# Allegro board STARRYSKY.brd (continued)
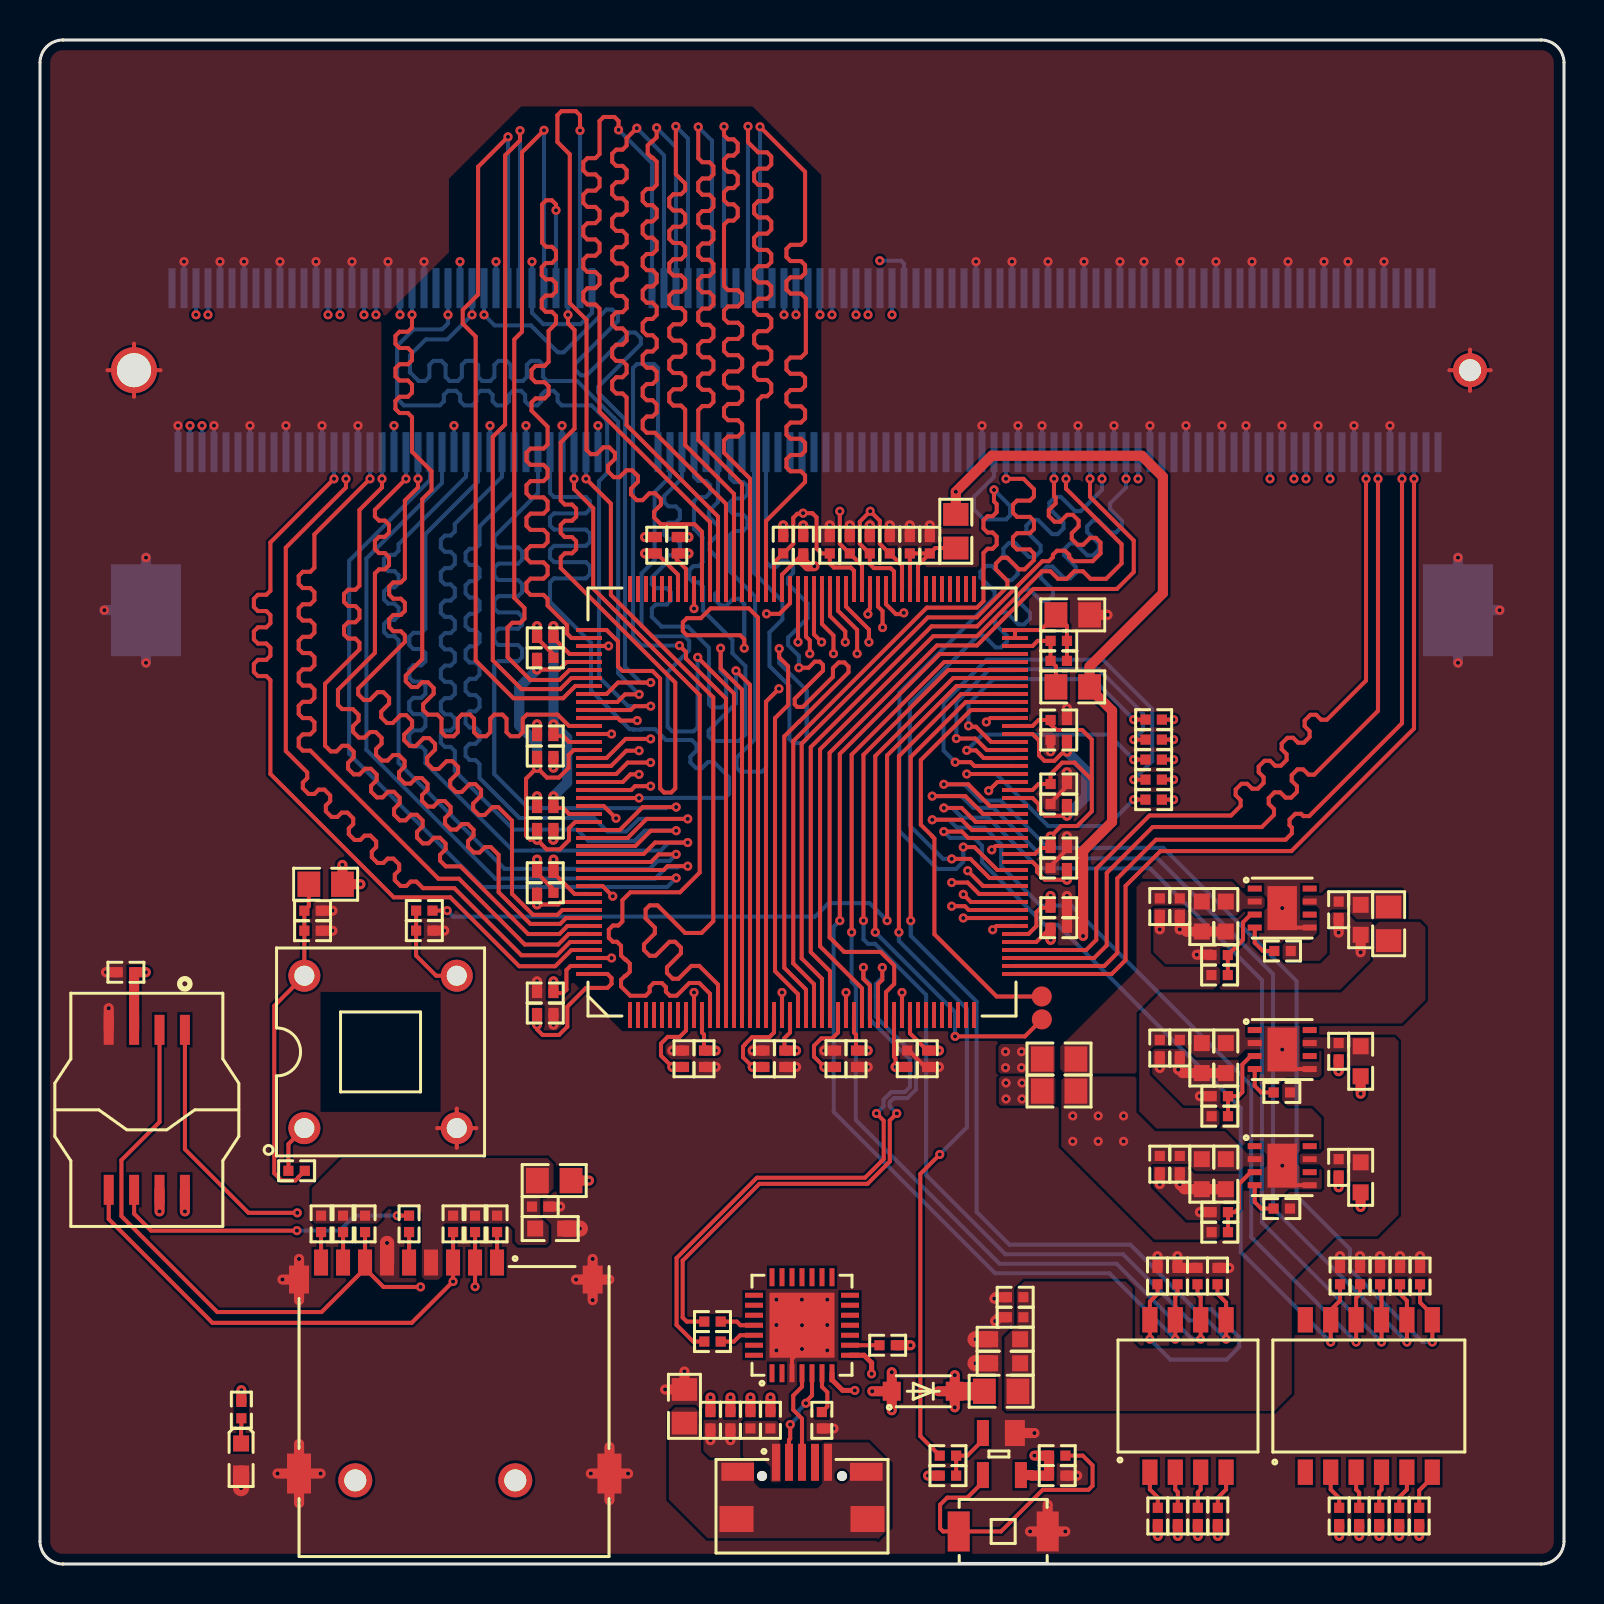
[diagram p0: board, top side]
## Routing (per net, layer and track width the routed paths; a pad name or vN(x,y) marks a point on that pad's centre or on a via; arc(x,y) is an arc through that point) (continued)
  BOTTOM w0.203: v1(14.7,54.26) J1.28
CHIPLINK_TX_DATA18: length 40.6
  TOP w0.203: U3.11 33.5,28.51 32.96,29.05 32.47,29.05 31.83,28.41 31.5,28.41 31.3,28.62 31.3,28.85 31.09,29.05 30.69,29.05 30.48,28.85 30.48,28.62 30.28,28.41 29.52,28.41 29.05,28.88 29.05,29.21 29.26,29.41 29.29,29.41 29.49,29.61 29.49,30.02 29.29,30.22 29.26,30.22 29.05,30.43 29.05,30.91 28.85,31.11 28.64,31.11 28.44,31.31 28.44,31.72 28.64,31.92 28.92,31.92 29.12,32.13 29.12,33.19 29.52,33.59 32,33.59 32.98,34.57 32.98,43.45 27.66,48.77 27.66,52.79 26.7,53.75 v1(26.7,54.26)
  BOTTOM w0.203: v1(26.7,54.26) J1.68
CHIPLINK_TX_DATA19: length 41.6
  TOP w0.203: U3.12 33.9,28.97 32.96,29.91 32.57,29.91 31.92,29.26 31.64,29.26 31.35,29.55 31.35,29.84 32.05,30.54 32.05,30.82 31.76,31.11 31.47,31.11 30.77,30.41 30.49,30.41 30.2,30.7 30.2,30.99 30.74,31.53 30.74,31.82 30.28,32.28 30.28,32.73 30.48,32.93 30.88,32.93 32.26,31.55 33.08,31.55 33.66,32.14 33.66,43.33 28.54,48.45 28.54,53.01 v1(27.3,54.26)
  BOTTOM w0.203: v1(27.3,54.26) J1.70
CHIPLINK_TX_DATA20: length 41
  TOP w0.203: U3.13 34.3,43.27 32.3,45.27 32.3,45.6 v1(31.97,45.92)
  BOTTOM w0.203: J1.74 30.9,59.8 30.7,60 29.85,60 29.65,59.8 29.65,46.36 30.09,45.92 v1(31.97,45.92)
CHIPLINK_TX_DATA21: length 40.5
  TOP w0.203: U3.14 34.7,43.52 v1(32.89,45.33)
  BOTTOM w0.203: v1(32.89,45.33) 32.89,41.84 32.68,41.64 31.6,41.64 31.38,41.85 31.38,44.61 32.46,45.68 32.46,46.16 32.23,46.39 30.59,46.39 30.08,46.89 30.08,49.53 30.73,50.18 30.73,53.6 31.5,54.36 J1.76
CHIPLINK_TX_DATA22: length 41.4
  TOP w0.203: U3.15 35.1,43.71 34.03,44.78 v1(34.03,45.79)
  BOTTOM w0.203: v1(34.03,45.79) 34.03,44.63 34.31,44.36 34.31,43.04 34.1,42.84 33.59,42.84 33.45,42.98 33.45,45.81 32.39,46.87 31.08,46.87 30.59,47.36 30.59,47.77 30.79,47.98 31.34,47.98 31.54,48.18 31.54,48.59 31.34,48.79 30.79,48.79 30.59,48.99 30.59,49.32 31.22,49.95 31.22,50.24 31.42,50.44 31.75,50.44 31.99,50.68 31.99,51.05 31.79,51.26 31.42,51.26 31.22,51.46 31.22,51.86 31.42,52.07 31.79,52.07 31.99,52.27 31.99,52.68 31.79,52.88 31.42,52.88 31.22,53.08 31.22,53.41 32.1,54.29 J1.78
CHIPLINK_TX_DATA23: length 40.6
  TOP w0.203: v1(34.8,44.66) 35.5,43.96 U3.16
  BOTTOM w0.203: J1.80 32.7,54.36 32.9,54.16 33.3,54.16 33.51,53.95 33.51,53.55 33.3,53.35 32.9,53.35 32.7,53.14 32.7,51.75 33.13,51.32 33.13,50.1 32.93,49.89 32.67,49.89 32.47,49.69 32.47,49.29 32.67,49.08 32.93,49.08 33.16,48.85 33.16,47.66 34.62,46.2 34.62,45.54 34.63,45.54 35.27,44.9 35.27,41.48 34.94,41.15 33.66,41.15 33.43,41.38 33.43,41.67 34.8,43.04 v1(34.8,44.66)
CHIPLINK_TX_DATA24: length 40.4
  TOP w0.203: U3.17 35.9,47.33 35.44,47.78 33.53,47.78 33.04,47.29 32.35,47.29 32.14,47.09 32.14,46.64 32.35,46.44 35.01,46.44 35.21,46.23 v1(35.21,45.79)
  BOTTOM w0.203: J1.84 33.9,53.1 33.45,52.64 33.45,52.35 33.9,51.9 33.9,51.47 33.48,51.06 33.48,50.69 33.91,50.27 33.91,48.65 33.75,48.5 33.75,48.21 34.04,47.92 34.32,47.92 34.66,48.26 34.95,48.26 35.21,48 v1(35.21,45.79)
CHIPLINK_TX_DATA25: length 41.6
  TOP w0.203: U3.18 36.3,43.11 v1(36.95,43.76)
  BOTTOM w0.203: v1(36.95,43.76) 36.3,43.12 36.3,39.82 36.1,39.62 35.03,39.62 34.82,39.82 34.82,40.31 35.76,41.25 35.76,48.38 34.5,49.63 34.5,51.45 34.7,51.65 35.17,51.65 35.37,51.86 35.37,52.26 35.17,52.47 34.7,52.47 34.5,52.67 34.5,53.08 34.7,53.28 35.17,53.28 35.37,53.48 35.37,53.89 35.17,54.09 34.7,54.09 34.5,54.29 J1.86
CHIPLINK_TX_DATA26: length 41
  TOP w0.203: U3.22 37.9,28.49 36.75,29.64 36.75,42.29 37.41,42.95 37.41,44.89 36.96,45.34 v1(36.96,45.77)
  BOTTOM w0.203: v1(36.96,45.77) 36.96,45.34 36.96,45.33 36.96,45.05 38.34,43.68 38.34,41.25 38.13,41.05 37.67,41.05 37.47,41.25 37.47,43.9 36.47,44.9 36.47,46.58 37.12,47.23 37.12,48.14 35.7,49.56 J1.90
CHIPLINK_TX_DATA27: length 40.5
  TOP w0.203: v1(37.95,44.81) 38.43,44.81 38.74,45.12 38.99,45.12 39.15,44.96 39.15,44.67 37.74,43.26 37.74,42.98 37.86,42.86 38.15,42.86 39.65,44.36 39.65,44.79 39.93,45.08 40.22,45.08 40.43,44.87 40.43,44.58 37.95,42.11 37.95,42.11 37.22,41.38 37.22,29.81 38.3,28.73 U3.23
  BOTTOM w0.203: J1.92 36.3,50.11 36.53,49.87 36.82,49.87 37.08,50.13 37.37,50.13 37.66,49.85 37.66,49.56 37.4,49.3 37.4,49.01 38.38,48.03 38.38,47.29 37.41,46.33 37.41,45.94 37.95,45.4 v1(37.95,44.81)
CHIPLINK_TX_DATA28: length 40.4
  TOP w0.203: U3.24 38.7,28.99 37.66,30.03 37.66,41.14 44.34,47.82 46.85,47.82 47.17,48.14 47.17,50.56 47.38,50.76 47.63,50.76 47.83,50.97 47.83,51.37 47.63,51.57 47.38,51.57 47.17,51.78 47.17,52.18 47.38,52.39 47.63,52.39 47.83,52.59 47.83,53 47.7,53.13 v1(47.7,53.71)
  BOTTOM w0.203: J1.130 47.7,54.36 46.7,53.36 46.7,52.73 47.2,52.23 48.31,52.23 48.51,52.43 48.51,52.9 v1(47.7,53.71)
CHIPLINK_TX_DATA29: length 41.1
  TOP w0.203: v1(48.3,54.26) 49.18,54.26 49.7,53.74 49.7,53.37 49.49,53.17 48.85,53.17 48.65,52.97 48.65,52.56 48.85,52.36 49.49,52.36 49.7,52.15 49.7,51.75 49.49,51.54 48.85,51.54 48.65,51.34 48.65,50.93 48.85,50.73 49.49,50.73 49.7,50.53 49.7,50.2 49.23,49.73 48.95,49.73 48.37,50.31 48.08,50.31 47.79,50.02 47.79,49.74 48.37,49.16 48.37,48.87 46.83,47.33 44.39,47.33 38.08,41.02 38.08,30.28 39.1,29.26 U3.25
  BOTTOM w0.203: J1.132 v1(48.3,54.26)
CHIPLINK_TX_DATA30: length 41.5
  TOP w0.203: U3.26 39.5,29.63 38.54,30.6 38.54,40.84 44.58,46.88 46.85,46.88 50.11,50.14 50.44,50.14 50.65,50.34 50.65,50.46 50.85,50.66 51.26,50.66 51.46,50.46 51.46,50.34 51.66,50.14 52.64,50.14 53.03,50.53 53.03,51.07 52.79,51.31 52.51,51.31 52.16,50.97 51.88,50.97 51.59,51.25 51.59,51.54 51.93,51.88 51.93,52.17 51.64,52.46 51.36,52.46 51.01,52.11 50.73,52.11 50.44,52.4 50.44,52.69 50.78,53.03 50.78,53.32 50.7,53.4 v1(50.7,54.26)
  BOTTOM w0.203: J1.140 v1(50.7,54.26)
CHIPLINK_TX_DATA31: length 40.4
  TOP w0.203: U3.30 41.1,28.79 39,30.88 39,40.73 44.66,46.39 46.85,46.39 50.09,49.64 50.52,49.64 50.9,49.26 51.34,49.26 51.72,49.64 52.15,49.64 52.53,49.26 53.3,49.26 54.08,50.03 54.08,50.98 51.3,53.76 v1(51.3,54.26)
  BOTTOM w0.203: J1.142 v1(51.3,54.26)
CHIPLINK_TX_RST: length 40.9
  TOP w0.203: v1(18.6,62.46) 18.6,61.82 18.4,61.61 17.98,61.61 17.77,61.41 17.77,61 17.98,60.8 18.4,60.8 18.6,60.6 18.6,60.19 18.4,59.99 17.98,59.99 17.77,59.78 17.77,59.38 17.98,59.17 18.4,59.17 18.6,58.97 18.6,58.56 18.4,58.36 17.98,58.36 17.77,58.16 17.77,57.75 17.98,57.55 18.4,57.55 18.6,57.35 18.6,55.61 19.58,54.64 19.58,53.7 19.11,53.24 19.11,45.24 18.29,44.42 18.29,44.13 18.58,43.85 18.86,43.85 19.11,44.09 19.39,44.09 19.68,43.8 19.68,43.52 19.16,42.99 19.16,42.7 19.39,42.47 19.87,42.47 20.07,42.27 20.07,41.59 20.28,41.39 20.68,41.39 20.89,41.59 20.89,42.27 21.09,42.47 21.5,42.47 21.7,42.27 21.7,41.59 21.9,41.39 22.31,41.39 22.51,41.59 22.51,42.27 22.72,42.47 23.12,42.47 23.33,42.27 23.33,41.59 23.53,41.39 23.94,41.39 24.14,41.59 24.14,42.27 24.34,42.47 25.88,42.47 26.45,41.9 U3.145
  BOTTOM w0.203: J1.41 v1(18.6,62.46)
CHIPLINK_TX_SEND: length 41
  TOP w0.203: v1(30.53,41.26) 29.28,41.26 28.33,40.3 U3.149
  ART03 w0.203: v1(30.53,41.26) 29.79,41.26 27.96,43.09 27.96,45.75 27.76,45.95 27.32,45.95 27.12,46.16 27.12,46.56 27.32,46.77 27.76,46.77 27.96,46.97 27.96,47.38 27.76,47.58 27.32,47.58 27.12,47.78 27.12,48.19 27.32,48.39 27.76,48.39 27.96,48.6 27.96,49 27.76,49.21 27.32,49.21 27.12,49.41 27.12,49.82 27.32,50.02 27.76,50.02 27.96,50.22 27.96,50.79 26.98,51.78 26.98,52.06 27.36,52.45 27.36,52.73 27.07,53.02 26.79,53.02 26.4,52.64 26.12,52.64 25.83,52.93 25.83,53.21 26.21,53.6 26.21,53.88 25.92,54.17 25.64,54.17 25.25,53.79 24.97,53.79 24.68,54.07 24.68,54.36 25.06,54.75 25.06,55.03 24.77,55.32 24.49,55.32 24.1,54.94 23.82,54.94 23.53,55.22 23.53,55.51 23.91,55.9 23.91,56.18 23.62,56.47 23.34,56.47 22.95,56.09 22.67,56.09 18,60.75 v1(18,62.46)
  BOTTOM w0.203: J1.39 v1(18,62.46)
CLK_SEL: length 54.7
  TOP w0.203: v1(55.49,11.24) SW2.8 55.49,13.12 55.88,13.5 R30.1 ; U3.79 46.29,43.1 43.54,40.35 v1(43.54,32.17)
  BOTTOM w0.203: v1(55.49,11.24) 56.52,10.22 59.33,10.22 59.96,10.85 59.96,11.33 58.56,12.73 57.75,12.73 54.51,15.97 48.47,15.97 46.83,17.6 46.83,28.11 43.54,31.41 v1(43.54,32.17)
CORE_DIP0: length 50
  TOP w0.203: v1(45.19,38.98) 46.41,38.98 47.5,37.9 U3.66 ; v1(69.62,11.1) SW3.7 69.62,12.46 69,13.08 R49.1
  BOTTOM w0.203: v1(45.19,38.98) 46.21,38.98 47.03,38.17 48.04,38.17 50.4,35.81 56.16,35.81 62.83,29.14 62.83,18.41 65.5,15.74 65.5,14.73 69.13,11.1 v1(69.62,11.1)
CORE_DIP1: length 49.4
  TOP w0.203: R47.1 68,13.5 68.35,13.16 SW3.8 v1(68.35,11.1) ; v1(44.61,38.39) 46.26,38.39 47.16,37.5 U3.65
  BOTTOM w0.203: v1(68.35,11.1) 61.65,17.79 61.65,29.5 55.86,35.28 50.19,35.28 47.67,37.8 46.66,37.8 46.07,38.39 v1(44.61,38.39)
CORE_DIP2: length 46.8
  TOP w0.203: v1(45.19,37.8) 46.08,37.8 46.79,37.1 U3.64 ; R44.1 67,13.5 67.08,13.43 SW3.9 v1(67.08,11.1)
  BOTTOM w0.203: v1(67.08,11.1) 61.1,17.07 61.1,29.18 55.5,34.78 49.94,34.78 47.41,37.31 46.11,37.31 45.62,37.8 v1(45.19,37.8)
CORE_DIP3: length 44.4
  TOP w0.203: v1(44.61,37.21) 46.08,37.21 46.6,36.7 47.87,36.7 47.87,36.7 U3.63 ; R42.1 66,13.5 65.81,13.31 SW3.10 v1(65.81,11.1)
  BOTTOM w0.203: v1(44.61,37.21) 45.46,37.21 45.85,36.82 47.23,36.82 48.06,35.98 48.06,34.88 50.03,32.92 51.56,32.92 60.56,23.92 60.56,16.34 v1(65.81,11.1)
CORE_DIP4: length 41.4
  TOP w0.203: v1(45.19,36.62) 46.09,36.62 46.41,36.3 U3.62 ; v1(64.54,11.1) SW3.11 64.54,12.7 65,13.17 R40.1
  BOTTOM w0.203: v1(64.54,11.1) 60.04,15.6 60.04,22.8 50.88,31.95 50.24,31.95 47.1,35.09 47.1,35.91 46.7,36.3 45.51,36.3 v1(45.19,36.62)
OSC_IN: length 39.6
  TOP w0.203: R3.2 v1(20.36,32.67) ; v1(42.35,32.17) 42.35,40.43 45.83,43.9 U3.81
  BOTTOM w0.203: v1(42.35,32.17) 41.48,33.05 39.43,33.05 38.75,32.36 20.66,32.36 v1(20.36,32.67)
PLL_AVDD33: length 6.2
  TOP w0.203: C61.1 C62.1 43.49,50.04 43.5,50.03 U3.97 ; C61.1 44.76,50.8 L5.1 ; C61.1 43.9,49.94 U3.96
PLL_CFG0: length 53.2
  TOP w0.203: v1(59.3,11.24) SW2.5 59.3,13.08 58.88,13.5 R28.1 ; U3.83 45.41,44.7 41.17,40.46 v1(41.17,32.17)
  BOTTOM w0.203: v1(59.3,11.24) 58.36,12.18 57.46,12.18 54.16,15.49 48.27,15.49 44.3,19.45 44.3,28.46 41.75,31.01 41.4,31.01 41.17,31.24 v1(41.17,32.17)
PLL_CFG1: length 53
  TOP w0.203: R32.1 57.88,13.5 58.03,13.34 SW2.6 v1(58.03,11.24) ; U3.84 45.21,45.1 40.58,40.47 v1(40.58,31.59)
  BOTTOM w0.203: v1(58.03,11.24) 57.6,11.24 53.83,15.01 47.97,15.01 40.79,22.2 40.79,28.91 40.58,29.11 v1(40.58,31.59)
PLL_CFG2: length 53.4
  TOP w0.203: U3.85 44.99,45.5 39.99,40.5 v1(39.99,32.17) ; R24.1 56.88,13.5 56.76,13.39 SW2.7 v1(56.76,11.24)
  BOTTOM w0.203: v1(56.76,11.24) 53.47,14.54 47.75,14.54 39.68,22.61 39.68,31.86 v1(39.99,32.17)
PLLIO_AVDD33: length 4.3
  TOP w0.203: L7.1 50.8,44.89 C64.1 C63.1 49.88,46.16 49.63,45.9 U3.86
SPI_CLK: length 88
  TOP w0.203: v1(12.85,16.67) 5.55,16.67 4.71,17.52 U7.6 ; R18.2 v1(56.68,42.22) ; R34.1 v1(17.87,17.42)
  ART03 w0.203: v1(17.87,17.42) 17.87,13.56 18.82,12.61 52.05,12.61 58.97,19.52 58.97,39.93 v1(56.68,42.22)
  BOTTOM w0.203: v1(12.85,16.67) 14.99,16.67 15.74,17.42 v1(17.87,17.42)
SPI_CS0: length 88.6
  TOP w0.203: U7.1 7.25,20.74 10.43,17.56 v1(12.86,17.56) ; R17.2 v1(56.68,41.22)
  ART03 w0.203: v1(12.86,17.56) 13.47,18.17 18.04,18.17 18.48,17.73 18.48,13.62 18.73,13.37 27.17,13.37 27.56,13.77 52.44,13.77 58.51,19.83 58.51,39.39 v1(56.68,41.22)
SPI_CS1: length 61.3
  TOP w0.203: R27.2 J4.2 v1(21.75,13.87) ; R16.2 v1(56.68,40.22)
  ART03 w0.203: v1(56.68,40.22) 57.53,39.36 57.53,31.37 57.38,31.22 57.38,21.37 50.79,14.77 22.66,14.77 v1(21.75,13.87)
SPI_MISO: length 87.9
  TOP w0.203: 16.25,14.77 14.08,12.6 8.87,12.6 4.07,17.4 4.07,20.19 5.98,22.1 U7.2 ; 16.25,14.77 17.17,13.85 v1(19.03,13.85) ; 16.25,14.77 J4.7 R37.2 ; R14.2 v1(56.68,38.22)
  ART03 w0.203: v1(19.03,13.85) 22.45,17.28 51.76,17.28 55.26,20.79 55.26,36.81 v1(56.68,38.22)
SPI_MOSI: length 82
  TOP w0.203: U7.5 3.44,17.25 8.62,12.06 18.59,12.06 v1(20.65,14.12) J4.3 R29.2 ; R15.2 v1(56.68,39.22)
  ART03 w0.203: v1(56.68,39.22) 57.15,38.75 57.15,37.92 56.43,37.2 56.43,31.94 56.45,31.92 56.45,21.21 51.4,16.16 22.69,16.16 v1(20.65,14.12)
SYS_RST: length 44.8
  TOP w0.203: R19.1 44.02,6.39 44.02,19.51 v1(44.99,20.48) ; U3.80 46.05,43.5 42.95,40.39 v1(42.95,31.59)
  BOTTOM w0.203: v1(44.99,20.48) 46.35,21.83 46.35,27.76 42.95,31.16 v1(42.95,31.59)
UART_RX: length 31.8
  TOP w0.203: R36.2 32.66,11.12 31.83,11.96 31.83,15.3 35.84,19.31 41.25,19.31 42.18,20.25 42.18,22.17 v1(41.82,22.53) ; v1(41.17,29.83) 41.17,29.25 41.5,28.92 U3.31
  BOTTOM w0.203: v1(41.17,29.83) 41.17,29.32 41.49,29 41.49,28.4 41.49,27.24 43.5,25.23 43.5,23.86 43.24,23.6 42.56,23.6 42.18,23.21 42.18,22.88 v1(41.82,22.53)
UART_TX: length 30.8
  TOP w0.203: v1(42.84,22.53) 42.49,22.18 42.49,20.12 41.38,19.01 35.97,19.01 32.13,15.17 32.13,12.33 32.34,12.12 R35.2 ; U3.32 41.9,28.99 42.11,29.21 v1(42.11,29.83)
  BOTTOM w0.203: v1(42.11,29.83) 42.11,29.32 41.79,29 41.79,28.4 41.79,27.37 43.8,25.35 43.8,23.73 43.37,23.29 42.69,23.29 42.48,23.09 42.48,22.89 v1(42.84,22.53)
USB_D+: length 4.8
  TOP w0.203: J3.3 38.1,7.27 37.66,7.71 37.66,8.42 38.1,8.86 U6.4
USB_D-: length 4.9
  TOP w0.203: J3.2 37.45,6.21 37.51,6.27 v1(37.51,6.97) ; U6.5 38.6,8.43 38.31,8.13 v1(38.3,8.04)
  BOTTOM w0.203: v1(37.51,6.97) 37.92,7.38 37.92,7.66 v1(38.3,8.04)
N00208: length 1.9
  TOP w0.203: U1.4 60.74,18.1 61.06,17.77 R4.2
N00440: length 3.9
  TOP w0.203: U1.3 60.54,19.59 59.94,19 59.94,17.79 59.74,17.59 R5.1 R1.2
N02977: length 1.9
  TOP w0.203: R7.2 61.06,23.58 60.74,23.9 U2.4
N03085: length 4
  TOP w0.203: U2.3 60.54,25.4 60.12,24.98 60.12,23.59 59.91,23.39 R9.1 R8.2
N03804: length 1.9
  TOP w0.203: R11.2 61.15,30.65 60.74,31.06 U4.4
N03912: length 3.7
  TOP w0.203: R10.2 R12.1 60.15,31.21 60.15,32.09 60.54,32.47 U4.3
N09341: length 3
  TOP w0.203: U5.2 47.14,6.2 46.37,5.42 R19.2 R13.2
N12849: length 15.4
  TOP w0.203: U5.3 47.14,4.1 46.37,3.32 45.36,3.32 45,2.96 45,1.78 45.16,1.63 SW1.1 48.05,1.63 50.13,3.71 52.42,3.71 52.63,3.91 52.63,4.93 52.14,5.42 R20.2
N14111: length 1.3
  TOP w0.203: R2.1 10.07,6.8 10.05,6.79 LED1.1
N20091: length 13
  TOP w0.203: R14.1 v1(54.69,38.22) ; U3.70 v1(46.34,39.5)
  BOTTOM w0.203: v1(46.34,39.5) 47.81,39.5 50.41,36.9 53.37,36.9 v1(54.69,38.22)
N20140: length 23.1
  TOP w0.203: R15.1 v1(54.69,39.22) ; U3.71 46.72,39.9 46.53,40.09 v1(45.76,40.09)
  BOTTOM w0.203: v1(54.69,39.22) 55.61,40.14 55.61,42.75 53.15,45.22 47.34,45.22 45.18,43.05 45.18,40.67 v1(45.76,40.09)
N20190: length 12.3
  TOP w0.203: v1(46.34,40.68) 46.8,40.68 47.18,40.3 U3.72 ; R16.1 v1(54.69,40.22)
  BOTTOM w0.203: v1(54.69,40.22) 53.44,41.47 47.12,41.47 v1(46.34,40.68)
N20241: length 18
  TOP w0.203: R17.1 v1(54.69,41.22) ; U3.73 47.34,40.7 46.76,41.27 v1(45.82,41.27)
  BOTTOM w0.203: v1(54.69,41.22) 55.16,41.69 55.16,42.52 52.93,44.74 47.47,44.74 45.82,43.08 v1(45.82,41.27)
N20293: length 14
  TOP w0.203: R18.1 v1(54.69,42.22) ; U3.74 47.56,41.1 46.8,41.86 46.52,41.86 46.48,41.91 v1(46.43,41.91)
  BOTTOM w0.203: v1(46.43,41.91) 46.43,43.01 47.66,44.24 52.66,44.24 v1(54.69,42.22)
N20346: length 21.4
  TOP w0.203: U3.78 46.55,42.7 44.04,40.2 44.04,36.96 44.61,36.39 44.61,36.38 44.72,36.27 44.72,31.49 47.83,28.38 TP1.1
N20568: length 29
  TOP w0.203: U3.82 45.66,44.3 41.76,40.4 v1(41.76,31.59) ; TP2.1 49.24,26.38 v1(45.75,26.38)
  BOTTOM w0.203: v1(45.75,26.38) 45.75,27.6 v1(41.76,31.59)
N47247: length 17.1
  TOP w0.203: L1.1 13.44,32.89 C9.1 C8.1 J2.8 11.71,27.91 11.71,19.53 12.07,19.18 12.77,19.18 12.9,19.31 12.9,19.32 R6.2
N86942: length 1.5
  TOP w0.203: J4.1 R25.2
N87161: length 1.5
  TOP w0.203: J4.8 R41.2
N87165: length 1.5
  TOP w0.203: J4.9 R45.2
N88472: length 1.5
  TOP w0.203: J4.5 R34.2
N105628: length 1.7
  TOP w0.203: U6.25 35.02,11.94 34.84,12.12 R35.1
N109895: length 1.9
  TOP w0.203: SW3.5 68.35,3.73 67.96,3.34 R46.2
N109899: length 2
  TOP w0.203: SW3.6 69.62,4.33 68.96,3.68 R48.2
N122427: length 1.8
  TOP w0.203: U6.26 35.01,11.44 34.69,11.12 R36.1
N129276: length 2.2
  TOP w0.203: C69.1 39.37,7.87 39.37,8.59 39.1,8.86 U6.6
N130573: length 1.5
  TOP w0.203: U6.9 R50.2
N266605: length 4.7
  TOP w0.203: J2.5 19.81,29.41 18.81,30.42 C7.1 R3.1
N270643: length 2.5
  TOP w0.203: R6.1 12.42,21 J2.1
N1063390: length 1.9
  TOP w0.203: R23.2 55.89,3.33 55.49,3.73 SW2.1
N1063391: length 1.8
  TOP w0.203: R31.2 56.89,3.6 56.76,3.73 SW2.2
N1063394: length 1.8
  TOP w0.203: R26.2 57.89,3.58 58.03,3.73 SW2.3
N1063395: length 1.9
  TOP w0.203: SW2.4 59.3,3.73 58.89,3.31 R33.2
N1064041: length 2
  TOP w0.203: R38.2 64.96,3.3 64.54,3.73 SW3.2
N1064044: length 1.8
  TOP w0.203: SW3.3 65.81,3.73 65.96,3.57 R39.2
N1064045: length 1.8
  TOP w0.203: SW3.4 67.08,3.73 66.96,3.61 R43.2

## Copper pours and planes (outline as drawn; the poured copper is in the pictures)
5V_IN on TOP: 54.27,14.13 54.62,13.78 54.62,11.12 54.96,10.78 59.63,10.78 60.17,11.32 60.17,15.48 62.07,17.39 62.07,18.2 62.48,18.61 64.08,18.61 64.22,18.75 64.22,19.74 63.97,19.98 63.06,19.98 62.97,20.07 62.97,20.43 63.06,20.52 64,20.52 64.2,20.71 64.2,20.97 64.2,22.34 63.63,22.91 62.37,22.91 62.11,23.18 62.11,23.97 62.34,24.2 63.99,24.2 64.2,24.41 64.2,25.72 64.15,25.78 63.22,25.78 63.13,25.86 63.13,26.26 63.14,26.26 63.22,26.34 67.72,26.34 67.93,26.14 67.93,17.45 66.85,16.38 64.8,16.38 62.59,14.18 62.59,8.52 61.72,7.65 48.34,7.65 48.22,7.77 48.22,11.32 48.84,11.94 48.84,13.76 49.21,14.13
5V_VBUS1 on ART03: 43.54,11.49 44.49,10.55 44.49,6.5 43.41,5.43 33.6,5.43 32.86,6.17 32.86,10.73 33.63,11.49
5V_VBUS2 on BOTTOM: 46.27,9.53 46.27,7.71 45.66,7.1 44.03,7.1 40.62,3.69 40.62,1.04 40.13,0.56 1.06,0.56 0.52,1.1 0.52,64.81 0.52,65.46 0.81,65.75 8.26,65.75 8.62,65.38 8.62,57.86 8.36,57.6 8.36,52.97 12.18,49.14 12.18,21.42 12.97,20.63 21.16,20.63 21.63,20.16 21.63,12.11 23.22,10.52 45.28,10.52
GND on TOP: 1.14,0.51 0.69,0.69 0.51,1.14 0.51,75.06 0.69,75.51 1.14,75.69 75.06,75.69 75.51,75.51 75.69,75.06 75.69,1.14 75.51,0.69 75.06,0.51 ; 57 cut-outs
GND on BOTTOM: 1.14,0.51 0.69,0.69 0.51,1.14 0.51,75.06 0.69,75.51 1.14,75.69 75.06,75.69 75.51,75.51 75.69,75.06 75.69,1.14 75.51,0.69 75.06,0.51 ; 25 cut-outs
GND on GND02: 1.14,0.51 0.69,0.69 0.51,1.14 0.51,75.06 0.69,75.51 1.14,75.69 75.06,75.69 75.51,75.51 75.69,75.06 75.69,1.14 75.51,0.69 75.06,0.51
VCC_1V2 on TOP: 55.1,34.12 59.6,34.12 60.32,33.4 61.09,33.4 61.23,33.26 61.23,32.88 61.11,32.76 60.15,32.76 59.82,32.42 57.8,32.42 57.3,32.93 55.75,32.93 55.74,32.93 55.68,32.93 55.54,32.79 55.54,30.55 56.23,29.86 58.89,29.86 59,29.75 59,29.06 58.79,28.85 58.79,28.85 58.67,28.73 55.98,28.73 54.83,27.57 54.83,24.79 54.83,24.79 54.83,24.61 54.75,24.52 54.56,24.52 52.47,24.52 51.23,24.52 51.01,24.74 51.01,25.87 54.82,29.68 54.82,33.85
VCC_3V3 on TOP: 60.34,20.54 61.1,20.54 61.21,20.42 61.21,19.96 61.13,19.88 60.2,19.88 59.96,19.64 57.77,19.64 57.41,20 55.63,20 55.54,19.91 55.54,18.82 57.29,17.07 58.84,17.07 58.99,16.92 58.99,16.4 58.81,16.22 55.72,16.22 51.06,20.88 51.06,24.19 51.24,24.37 54.74,24.37 54.82,24.29 54.82,22.59 55.76,21.64 59.24,21.64
VCC_3V3 on BOTTOM: 56.38,22.99 58.89,22.99 59.75,22.14 59.75,14.92 70.23,4.44 70.23,0.73 70.07,0.57 41.14,0.57 40.76,0.95 40.76,3.65 44.05,6.94 45.75,6.94 46.46,7.65 46.46,9.59 45.25,10.79 23.31,10.79 21.79,12.31 21.79,21.3 22.63,22.14 39.09,22.14 47.22,14.01 51.55,14.01 55.71,9.85 59.75,9.85 60.38,10.48 60.38,11.43 55.57,16.23 54,16.23 53.98,16.25 51.26,16.25 50.44,17.07 50.44,22.4 51.03,22.99
VCC_3V3 on ART03: 17.24,36.89 17.97,36.16 17.97,31.28 17.13,30.44 12.78,30.44 12.09,29.76 12.09,15.87 15.96,12.01 30.45,12.01 32.69,9.78 32.69,6.05 33.47,5.26 43.48,5.26 44.14,5.92 71.39,5.92 71.96,5.35 71.96,1.04 71.5,0.57 1.35,0.57 0.63,1.3 0.63,36.14 1.39,36.89
VCC_3V3T on TOP: 66.94,32.11 68.99,32.11 69.27,31.83 69.27,28.2 68.09,27.03 60.31,27.03 60.25,26.97 60.25,26.39 60.31,26.33 61.05,26.33 61.08,26.3 61.08,25.78 61.04,25.73 60.28,25.73 59.88,25.33 57.8,25.33 57.32,25.81 57.31,25.81 57.24,25.89 55.68,25.89 55.49,25.69 55.49,24.44 55.51,24.44 57.15,22.8 58.77,22.8 58.97,22.6 58.97,21.98 58.76,21.78 55.81,21.78 54.96,22.63 54.96,27.5 56.04,28.58 65.07,28.58 66.65,30.16 66.65,31.81
VDD on TOP: 48.05,26 50.62,26 50.75,25.87 50.75,24.62 50.65,24.52 48.03,24.52 47.92,24.62 47.92,25.86
VDD on ART03: 49.67,24.6 49.53,24.46 46.47,24.46 45.49,25.44 25.69,25.44 25.48,25.66 25.48,36.69 25.48,38.54 25.58,38.64 26.31,38.64 27.02,37.94 30.7,37.94 31.21,38.45 31.21,44.26 29.42,46.05 29.42,53.68 29.92,54.18 41.1,54.18 41.83,53.45 41.83,52.53 41.57,52.27 41.36,52.27 41.09,52.01 41.09,50.63 37.55,47.08 37.55,39.17 42.71,34.01 42.71,34.01 44.97,31.75 46.99,31.75 49.88,34.64 49.88,37.03 49.96,37.11 50.63,37.11 50.73,37.01 50.73,33.01 49.67,31.95
VDDIO on TOP: 48.07,24.4 50.64,24.4 50.77,24.27 50.77,23.02 50.67,22.92 48.04,22.92 47.94,23.03 47.94,24.27
VDDIO on BOTTOM: 49.73,22.95 52.47,25.69 52.47,30.02 51.02,31.47 49.45,31.47 46.88,34.05 44.87,34.05 42.12,36.8 42.12,44.16 46.57,48.61 46.57,52.27 45.15,53.68 38.54,53.68 37.6,52.74 37.6,50.37 38.87,49.1 38.87,46.36 38.76,46.25 38.76,36.7 42.86,32.6 43.61,32.6 47.23,28.98 47.23,23.22 47.51,22.95
VDDIO on ART03: 49.58,24.33 49.81,24.55 49.81,31.9 50.88,32.97 50.88,37.49 51.19,37.81 52.6,37.81 52.93,37.47 52.93,32.86 51.67,31.6 51.67,23.43 50.93,22.69 24.37,22.69 23.9,23.16 23.9,36.65 24.02,36.77 25.22,36.77 25.32,36.67 25.32,25.63 25.65,25.3 45.44,25.3 46.41,24.33
N03792 on TOP: 64.39,33.7 68.06,33.7 68.3,33.46 68.3,32.38 68.16,32.24 65.84,32.24 65.36,32.72 64.58,32.72 64.36,32.5 64.36,30.54 63.97,30.16 62.23,30.16 62.13,30.27 62.13,30.93 62.25,31.05 63.53,31.05 63.97,31.49 63.97,32.74 63.8,32.91 63.78,32.91 63.19,32.91 63.14,32.96 63.14,33.33 63.23,33.42 64.12,33.42
N86952 on TOP: 15.1,20.3 25.37,20.3 25.68,19.99 25.68,18.78 25.27,18.37 25.1,18.37 25.01,18.28 25.01,17.35 25.44,16.93 25.44,16.08 25.3,15.94 23.91,15.94 23.74,16.12 23.74,16.74 23.45,17.03 20.26,17.03 20.13,16.89 20.13,14.42 19.91,14.21 19.24,14.21 19.09,14.36 19.09,17.54 18.75,17.88 17.39,17.88 17.1,17.59 17.1,17.27 16.85,17.03 13.76,17.03 13.59,17.2 13.59,18.79
N101095 on TOP: 39.22,6.08 41.43,6.08 42.5,5.01 42.5,1.85 41.9,1.25 41.86,1.29 33.38,1.29 31.44,3.23 31.44,7.52 31.75,7.84 32.73,7.84 33.05,7.52 33.05,5.6 33.46,5.19 35.61,5.19 35.71,5.09 35.71,4.06 35.98,3.79 38.87,3.79 39.11,4.02 39.11,5.97
N341766 on TOP: 35.27,7.16 36.82,7.16 36.98,7 36.98,6.45 36.97,6.44 36.97,6.07 37.05,6 37.05,4.15 36.99,4.09 36.59,4.09 36.52,4.15 36.52,4.86 36.06,5.33 35.21,5.33 35.14,5.4 35.14,7.03

## Text on the board
NCLEGEND-1-4: FIGURE | SIZE | 8.0 | 19.69 | 39.37 | 43.31 | 66.93 | DRILL CHART: TOP to BOTTOM | ALL UNITS ARE IN MILS | PLATED | QTY | 403 | 2 | 4 | 3 | 1
